# Altium PCB LimeSDR-Micro_M.2_2280_1v1.PcbDoc (part 3 of 9) (continued)
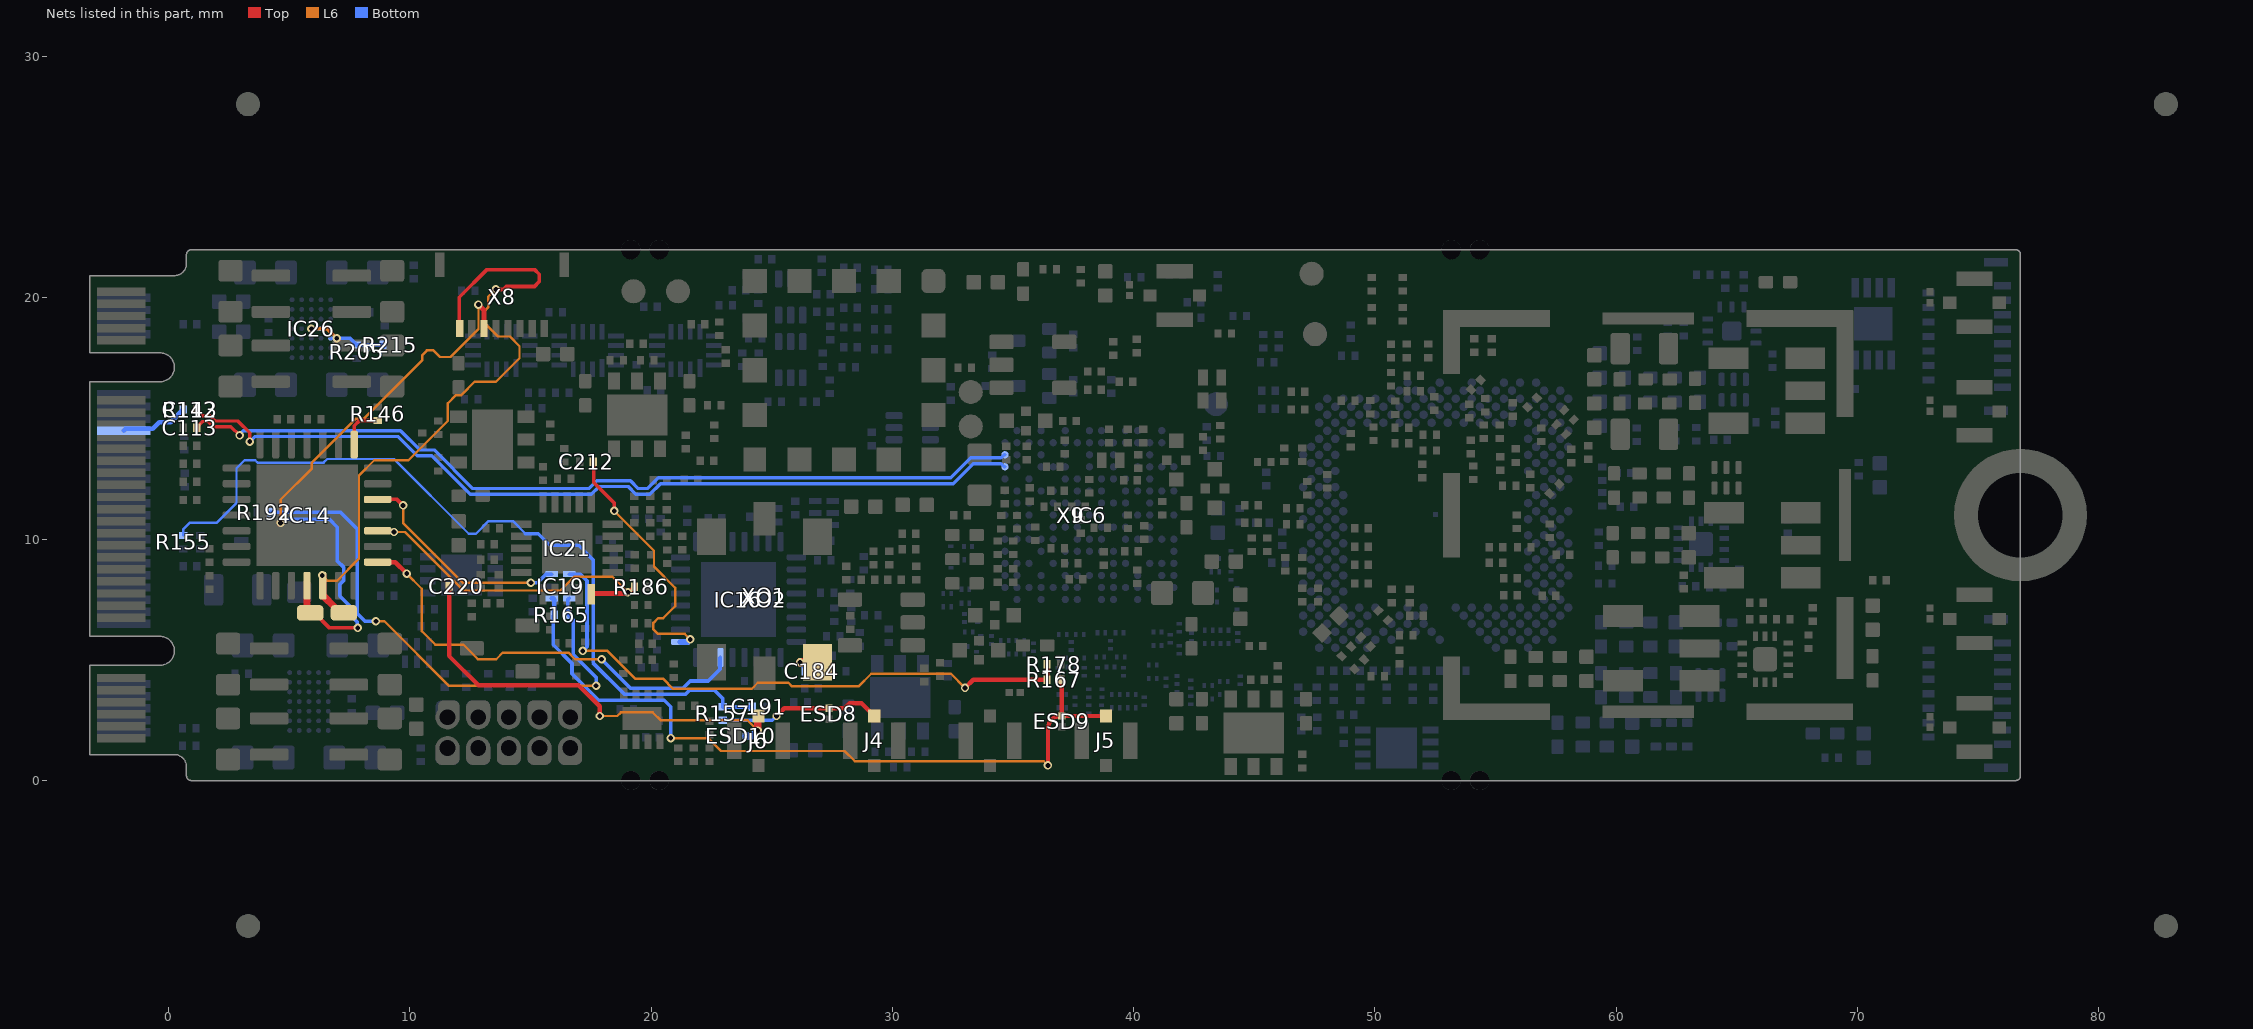
[diagram p9: the nets of this part, all layers, seen from the top]
## Part data (continued)
R169: library part Res_0402, Case/Package=0201, Case Code (Metric)=0603, Manufacturer=Yageo, Manufacturer Part Number 1=RC0201FR-073KL, Max Operating Temperature=125°C, Max Power Dissipation=50mW, Min Operating Temperature=-55°C, Resistance=3kR, Resistor Type="Thick Film", Supplier Part Number 1=YAG2656CT-ND, Temperature Coefficient=200ppm/°C, Tolerance=1%, Case Code (Imperial)=0201, ComponentLink1Description=http://www.yageo.com/documents/recent/PYu-RC_Group_51_RoHS_L_10.pdf?src-supplier=Digi-Key, ComponentLink1URL=http://www.yageo.com/documents/recent/PYu-RC_Group_51_RoHS_L_10.pdf?src-supplier=Digi-Key, ComponentLink2Description=http://www.yageo.com.tw/exep/pages/download/literatures/PYu-R_INT-thick_7.pdf?src-supplier=Digi-Key, ComponentLink2URL=http://www.yageo.com.tw/exep/pages/download/literatures/PYu-R_INT-thick_7.pdf?src-supplier=Digi-Key, ComponentLink3Description=http://www.yageo.com/documents/recent/PYu-RC_Group_51_RoHS_L_9.pdf?src-supplier=Digi-Key, ComponentLink3URL=http://www.yageo.com/documents/recent/PYu-RC_Group_51_RoHS_L_9.pdf?src-supplier=Digi-Key, Features="Moisture Resistant", Height=0.01inch, Length=0.024inch, Number of Terminations=2, Packaging="Tape and Reel", Part Description="3 kOhms ±1% 0.05W, 1/20W Chip Resistor 0201 (0603 Metric) Moisture Resistant Thick Film", Pricing 1="1=0,10000, 10=0,03700, 100=0,01530, 1000=0,00685, 2500=0,00595, 5000=0,00491 (USD)", RoHS=Yes, RoHS Compliant=Yes, Stock 1=269780, Supplier 1=Digi-Key, Width=0.012inch
R170 R214: library part Res_0402, Case/Package=0201, Case Code (Metric)=0603, Manufacturer=Yageo, Manufacturer Part Number 1=RC0201FR-0712K7L, Max Operating Temperature=125°C, Max Power Dissipation=50mW, Min Operating Temperature=-55°C, Package Quantity=1, Resistance=12.7kR, Resistor Type="Thick Film", Supplier Part Number 1=311-12.7KMCT-ND, Temperature Coefficient=200ppm/°C, Tolerance=1%, Case Code (Imperial)=0201, ComponentLink1Description=https://datasheet.ciiva.com/5924/1563626-5924912.pdf?src-supplier=Farnell, ComponentLink1URL=https://datasheet.ciiva.com/5924/1563626-5924912.pdf?src-supplier=Farnell, ComponentLink2Description=https://datasheet.ciiva.com/22661/1563626-22661319.pdf?src-supplier=Element14, ComponentLink2URL=https://datasheet.ciiva.com/22661/1563626-22661319.pdf?src-supplier=Element14, ComponentLink3Description=https://datasheet.ciiva.com/7660/1421516-7660807.pdf?src-supplier=Element14, ComponentLink3URL=https://datasheet.ciiva.com/7660/1421516-7660807.pdf?src-supplier=Element14, ComponentLink4Description=https://datasheet.ciiva.com/46391/1421516-46391339.pdf?src-supplier=Element14, ComponentLink4URL=https://datasheet.ciiva.com/46391/1421516-46391339.pdf?src-supplier=Element14, ComponentLink5Description=https://datasheet.ciiva.com/2467/pyu-r-int-thick-7-2467110.pdf?src-supplier=Digi-Key, ComponentLink5URL=https://datasheet.ciiva.com/2467/pyu-r-int-thick-7-2467110.pdf?src-supplier=Digi-Key, ComponentLink6Description=https://datasheet.ciiva.com/2467/pyu-r-int-thick-7-2467111.pdf?src-supplier=Digi-Key, ComponentLink6URL=https://datasheet.ciiva.com/2467/pyu-r-int-thick-7-2467111.pdf?src-supplier=Digi-Key, ComponentLink7Description=https://datasheet.ciiva.com/2467/pyu-r-int-thick-7-2467109.pdf?src-supplier=Digi-Key, ComponentLink7URL=https://datasheet.ciiva.com/2467/pyu-r-int-thick-7-2467109.pdf?src-supplier=Digi-Key, ComponentLink8Description=https://datasheet.ciiva.com/2493/pyu-r-int-thick-7-2493806.pdf?src-supplier=Digi-Key, ComponentLink8URL=https://datasheet.ciiva.com/2493/pyu-r-int-thick-7-2493806.pdf?src-supplier=Digi-Key, ComponentLink9Description=https://datasheet.ciiva.com/2493/pyu-r-int-thick-7-2493807.pdf?src-supplier=Digi-Key, ComponentLink9URL=https://datasheet.ciiva.com/2493/pyu-r-int-thick-7-2493807.pdf?src-supplier=Digi-Key, ComponentLink10Description=https://datasheet.ciiva.com/2493/pyu-r-int-thick-7-2493805.pdf?src-supplier=Digi-Key, ComponentLink10URL=https://datasheet.ciiva.com/2493/pyu-r-int-thick-7-2493805.pdf?src-supplier=Digi-Key, Features="Moisture Resistant", Height=0.01inch, Length=0.024inch, Number of Terminations=2, Packaging="Tape and Reel", Part Description="12.7 kOhms ±1% 0.05W, 1/20W Chip Resistor 0201 (0603 Metric) Moisture Resistant Thick Film", Pricing 1="1=0,10000, 10=0,03700, 100=0,01500, 1000=0,00672, 2500=0,00583, 5000=0,00482 (USD)", RoHS=Yes, RoHS Compliant=Yes, Series=RC, Stock 1=49027, Supplier 1=Digi-Key, Width=0.012inch
R180: library part Res_0402, Manufacturer=Yageo, Manufacturer Part Number 1=RC0201FR-07470RL, Supplier Part Number 1=YAG2689CT-ND, Voltage Rating (DC)=25V, ComponentLink1Description=https://datasheet.ciiva.com/8944/crcw0201e3-8944937.pdf?src-supplier=Avnet, ComponentLink1URL=https://datasheet.ciiva.com/8944/crcw0201e3-8944937.pdf?src-supplier=Avnet, ComponentLink2Description=https://datasheet.ciiva.com/2473/crcw0201e3-2473436.pdf?src-supplier=Digi-Key, ComponentLink2URL=https://datasheet.ciiva.com/2473/crcw0201e3-2473436.pdf?src-supplier=Digi-Key, ComponentLink3Description=https://datasheet.ciiva.com/2473/crcw0201e3-2473437.pdf?src-supplier=Digi-Key, ComponentLink3URL=https://datasheet.ciiva.com/2473/crcw0201e3-2473437.pdf?src-supplier=Digi-Key, ComponentLink4Description=https://datasheet.ciiva.com/2473/crcw0201e3-2473438.pdf?src-supplier=Digi-Key, ComponentLink4URL=https://datasheet.ciiva.com/2473/crcw0201e3-2473438.pdf?src-supplier=Digi-Key, ComponentLink5Description=https://datasheet.ciiva.com/16394/dcrcwe3-16394575.pdf?src-supplier=Future+Electronics, ComponentLink5URL=https://datasheet.ciiva.com/16394/dcrcwe3-16394575.pdf?src-supplier=Future+Electronics, ComponentLink6Description=https://datasheet.ciiva.com/7672/1563626-7672231.pdf?src-supplier=Element14, ComponentLink6URL=https://datasheet.ciiva.com/7672/1563626-7672231.pdf?src-supplier=Element14, ComponentLink7Description=https://datasheet.ciiva.com/22698/1563626-22698527.pdf?src-supplier=Element14, ComponentLink7URL=https://datasheet.ciiva.com/22698/1563626-22698527.pdf?src-supplier=Element14, Part Description="470 Ohms ±1% 0.05W, 1/20W Chip Resistor 0201 (0603 Metric) Moisture Resistant Thick Film", Pricing 1="1=0,1, 10=0,027, 50=0,0172, 100=0,0143, 500=0,00988, 1000=0,00854, 5000=0,00629 (USD)", RoHS=Yes, Stock 1=296760, Supplier 1=Digi-Key
R196: library part Res_0402, Case/Package=0201, Case Code (Metric)=0603, Manufacturer=Yageo, Manufacturer Part Number 1=RC0201FR-075K6L, Max Operating Temperature=125°C, Max Power Dissipation=50mW, Min Operating Temperature=-55°C, Package Quantity=10000, Resistance=5.6kR, Resistance Tolerance=1%, Resistor Type="Thick Film", Supplier Part Number 1=YAG2346CT-ND, Temperature Coefficient=200ppm/°C, Voltage Rating=25V, Case Code (Imperial)=0201, ComponentLink1Description=https://datasheet.ciiva.com/5924/1563626-5924912.pdf?src-supplier=Farnell, ComponentLink1URL=https://datasheet.ciiva.com/5924/1563626-5924912.pdf?src-supplier=Farnell, ComponentLink2Description=https://datasheet.ciiva.com/22661/1563626-22661319.pdf?src-supplier=Element14, ComponentLink2URL=https://datasheet.ciiva.com/22661/1563626-22661319.pdf?src-supplier=Element14, ComponentLink3Description=https://datasheet.ciiva.com/7660/1421516-7660807.pdf?src-supplier=Element14, ComponentLink3URL=https://datasheet.ciiva.com/7660/1421516-7660807.pdf?src-supplier=Element14, ComponentLink4Description=https://datasheet.ciiva.com/46391/1421516-46391339.pdf?src-supplier=Element14, ComponentLink4URL=https://datasheet.ciiva.com/46391/1421516-46391339.pdf?src-supplier=Element14, ComponentLink5Description=https://datasheet.ciiva.com/2467/pyu-r-int-thick-7-2467110.pdf?src-supplier=Digi-Key, ComponentLink5URL=https://datasheet.ciiva.com/2467/pyu-r-int-thick-7-2467110.pdf?src-supplier=Digi-Key, ComponentLink6Description=https://datasheet.ciiva.com/2467/pyu-r-int-thick-7-2467111.pdf?src-supplier=Digi-Key, ComponentLink6URL=https://datasheet.ciiva.com/2467/pyu-r-int-thick-7-2467111.pdf?src-supplier=Digi-Key, ComponentLink7Description=https://datasheet.ciiva.com/2467/pyu-r-int-thick-7-2467109.pdf?src-supplier=Digi-Key, ComponentLink7URL=https://datasheet.ciiva.com/2467/pyu-r-int-thick-7-2467109.pdf?src-supplier=Digi-Key, ComponentLink8Description=https://datasheet.ciiva.com/22661/1563626-22661325.pdf?src-supplier=Element14, ComponentLink8URL=https://datasheet.ciiva.com/22661/1563626-22661325.pdf?src-supplier=Element14, Features="Moisture Resistant", Height=0.01inch, Length=0.024inch, Number of Terminations=2, Packaging="Tape and Reel", Part Description="5.6 kOhms ±1% 0.05W, 1/20W Chip Resistor 0201 (0603 Metric) Moisture Resistant Thick Film", Power Rating=50mW, Pricing 1="1=0,10000, 10=0,03700, 100=0,01500, 1000=0,00672, 2500=0,00583, 5000=0,00482 (USD)", Reach SVHC Compliant=Yes, RoHS=Yes, RoHS Compliant=Yes, Series=RC, Stock 1=808399, Supplier 1=Digi-Key, Termination=SMD/SMT, Tolerance=1%, Width=0.3mm
R202: library part Res_0402, Case/Package=0201, Case Code (Metric)=0603, Manufacturer="Stackpole Electronics", Manufacturer Part Number 1=RMCF0201FT7K50, Max Operating Temperature=125°C, Max Power Dissipation=50mW, Min Operating Temperature=-55°C, Package Quantity=10000, Resistance=7.5kR, Resistor Type="Thick Film", Supplier Part Number 1=RMCF0201FT7K50CT-ND, Temperature Coefficient=200ppm/°C, Tolerance=1%, Case Code (Imperial)=0201, ComponentLink1Description=https://datasheet.ciiva.com/5924/1563626-5924912.pdf?src-supplier=Farnell, ComponentLink1URL=https://datasheet.ciiva.com/5924/1563626-5924912.pdf?src-supplier=Farnell, ComponentLink2Description=https://datasheet.ciiva.com/22661/1563626-22661319.pdf?src-supplier=Element14, ComponentLink2URL=https://datasheet.ciiva.com/22661/1563626-22661319.pdf?src-supplier=Element14, ComponentLink3Description=https://datasheet.ciiva.com/7660/1421516-7660807.pdf?src-supplier=Element14, ComponentLink3URL=https://datasheet.ciiva.com/7660/1421516-7660807.pdf?src-supplier=Element14, ComponentLink4Description=https://datasheet.ciiva.com/46391/1421516-46391339.pdf?src-supplier=Element14, ComponentLink4URL=https://datasheet.ciiva.com/46391/1421516-46391339.pdf?src-supplier=Element14, ComponentLink5Description=https://datasheet.ciiva.com/2467/pyu-r-int-thick-7-2467110.pdf?src-supplier=Digi-Key, ComponentLink5URL=https://datasheet.ciiva.com/2467/pyu-r-int-thick-7-2467110.pdf?src-supplier=Digi-Key, ComponentLink6Description=https://datasheet.ciiva.com/2467/pyu-r-int-thick-7-2467111.pdf?src-supplier=Digi-Key, ComponentLink6URL=https://datasheet.ciiva.com/2467/pyu-r-int-thick-7-2467111.pdf?src-supplier=Digi-Key, ComponentLink7Description=https://datasheet.ciiva.com/2467/pyu-r-int-thick-7-2467109.pdf?src-supplier=Digi-Key, ComponentLink7URL=https://datasheet.ciiva.com/2467/pyu-r-int-thick-7-2467109.pdf?src-supplier=Digi-Key, ComponentLink8Description=https://www.seielect.com/catalog/SEI-Packaging.pdf?src-supplier=Digi-Key, ComponentLink8URL=https://www.seielect.com/catalog/SEI-Packaging.pdf?src-supplier=Digi-Key, ComponentLink9Description=https://www.seielect.com/Catalog/SEI-RMCF_RMCP.pdf?src-supplier=Digi-Key, ComponentLink9URL=https://www.seielect.com/Catalog/SEI-RMCF_RMCP.pdf?src-supplier=Digi-Key, ComponentLink10Description=https://www.seielect.com/catalog/SEI-RMCF_RMCP.pdf?src-supplier=Avnet, ComponentLink10URL=https://www.seielect.com/catalog/SEI-RMCF_RMCP.pdf?src-supplier=Avnet, ComponentLink11Description=http://www.seielect.com/Catalog/SEI-RMCF_RMCP.pdf?src-supplier=Digi-Key, ComponentLink11URL=http://www.seielect.com/Catalog/SEI-RMCF_RMCP.pdf?src-supplier=Digi-Key, Contact Plating=Tin,Matte, Height=0.009inch, Length=0.024inch, Mount="Surface Mount", Number of Terminations=2, Packaging="Tape and Reel", Part Description="7.5 kOhms ±1% 0.05W, 1/20W Chip Resistor 0201 (0603 Metric) Thick Film", Pricing 1="1=0,10000, 10=0,02400, 100=0,00970, 1000=0,00437, 2500=0,00379, 5000=0,00313 (USD)", Radiation Hardening=No, RoHS=Yes, RoHS Compliant=Yes, Series=RMCF, Stock 1=145930, Supplier 1=Digi-Key, Width=0.012inch
R205: library part Res_0402, Case/Package=0201, Case Code (Metric)=0603, Manufacturer=Yageo, Manufacturer Part Number 1=RC0201FR-0747KL, Max Operating Temperature=125°C, Max Power Dissipation=50mW, Min Operating Temperature=-55°C, Package Quantity=10000, Resistance=47kR, Resistance Tolerance=1%, Resistor Type="Thick Film", Supplier Part Number 1=311-47KMCT-ND, Temperature Coefficient=200ppm/°C, Voltage Rating=25V, Case Code (Imperial)=0201, ComponentLink1Description=http://www.yageo.com/documents/recent/PYu-RC_Group_51_RoHS_L_7.pdf, ComponentLink1URL=http://www.yageo.com/documents/recent/PYu-RC_Group_51_RoHS_L_7.pdf, ComponentLink2Description=https://datasheet.ciiva.com/7672/1563626-7672232.pdf?src-supplier=Element14, ComponentLink2URL=https://datasheet.ciiva.com/7672/1563626-7672232.pdf?src-supplier=Element14, ComponentLink3Description=https://datasheet.ciiva.com/29710/pyu-r-int-thick-7-29710919.pdf?src-supplier=Digi-Key, ComponentLink3URL=https://datasheet.ciiva.com/29710/pyu-r-int-thick-7-29710919.pdf?src-supplier=Digi-Key, ComponentLink4Description=https://datasheet.ciiva.com/29710/pyu-r-int-thick-7-29710920.pdf?src-supplier=Digi-Key, ComponentLink4URL=https://datasheet.ciiva.com/29710/pyu-r-int-thick-7-29710920.pdf?src-supplier=Digi-Key, ComponentLink5Description=https://datasheet.ciiva.com/25647/pyu-r-int-thick-7-25647310.pdf?src-supplier=Digi-Key, ComponentLink5URL=https://datasheet.ciiva.com/25647/pyu-r-int-thick-7-25647310.pdf?src-supplier=Digi-Key, ComponentLink6Description=https://datasheet.ciiva.com/26829/getdatasheetpartid-422496-26829867.pdf?src-supplier=Verical, ComponentLink6URL=https://datasheet.ciiva.com/26829/getdatasheetpartid-422496-26829867.pdf?src-supplier=Verical, ComponentLink7Description=https://datasheet.ciiva.com/8889/pyu-rc0201-51-rohs-l-8-8889065.pdf?src-supplier=Avnet, ComponentLink7URL=https://datasheet.ciiva.com/8889/pyu-rc0201-51-rohs-l-8-8889065.pdf?src-supplier=Avnet, Construction=Rectangular, Contact Plating=Tin,Matte, Depth=0.3mm, Features="Moisture Resistant", Height=0.01inch, Lead Free="Lead Free", Length=0.6mm, Military Standard=Not, Number of Terminations=2, Packaging="Tape and Reel", Part Description="47 kOhms ±1% 0.05W, 1/20W Chip Resistor 0201 (0603 Metric) Moisture Resistant Thick Film", Power Rating=50mW, Pricing 1="1=0,10000, 10=0,03700, 100=0,01500, 1000=0,00672, 2500=0,00583, 5000=0,00482 (USD)", Radiation Hardening=No, RoHS=Yes, RoHS Compliant=Yes, Series=RC, Size Code=0201, Stock 1=684352, Supplier 1=Digi-Key, Termination=SMD/SMT, Tolerance=1%, Weight=6E-06oz, Width=0.3mm
R218: library part Res_0402, Case/Package=0201, Case Code (Metric)=0603, Manufacturer=Yageo, Manufacturer Part Number 1=RC0201FR-0731K6L, Max Operating Temperature=125°C, Max Power Dissipation=50mW, Min Operating Temperature=-55°C, Resistance=31.6kR, Resistor Type="Thick Film", Supplier Part Number 1=YAG2597CT-ND, Temperature Coefficient=200ppm/°C, Tolerance=1%, Case Code (Imperial)=0201, ComponentLink1Description=https://datasheet.ciiva.com/5924/1563626-5924912.pdf?src-supplier=Farnell, ComponentLink1URL=https://datasheet.ciiva.com/5924/1563626-5924912.pdf?src-supplier=Farnell, ComponentLink2Description=https://datasheet.ciiva.com/22661/1563626-22661319.pdf?src-supplier=Element14, ComponentLink2URL=https://datasheet.ciiva.com/22661/1563626-22661319.pdf?src-supplier=Element14, ComponentLink3Description=https://datasheet.ciiva.com/7660/1421516-7660807.pdf?src-supplier=Element14, ComponentLink3URL=https://datasheet.ciiva.com/7660/1421516-7660807.pdf?src-supplier=Element14, ComponentLink4Description=https://datasheet.ciiva.com/46391/1421516-46391339.pdf?src-supplier=Element14, ComponentLink4URL=https://datasheet.ciiva.com/46391/1421516-46391339.pdf?src-supplier=Element14, ComponentLink5Description=https://datasheet.ciiva.com/2467/pyu-r-int-thick-7-2467110.pdf?src-supplier=Digi-Key, ComponentLink5URL=https://datasheet.ciiva.com/2467/pyu-r-int-thick-7-2467110.pdf?src-supplier=Digi-Key, ComponentLink6Description=https://datasheet.ciiva.com/2467/pyu-r-int-thick-7-2467111.pdf?src-supplier=Digi-Key, ComponentLink6URL=https://datasheet.ciiva.com/2467/pyu-r-int-thick-7-2467111.pdf?src-supplier=Digi-Key, ComponentLink7Description=https://datasheet.ciiva.com/2467/pyu-r-int-thick-7-2467109.pdf?src-supplier=Digi-Key, ComponentLink7URL=https://datasheet.ciiva.com/2467/pyu-r-int-thick-7-2467109.pdf?src-supplier=Digi-Key, ComponentLink8Description=http://www.yageo.com/documents/recent/PYu-RC_Group_51_RoHS_L_10.pdf?src-supplier=Digi-Key, ComponentLink8URL=http://www.yageo.com/documents/recent/PYu-RC_Group_51_RoHS_L_10.pdf?src-supplier=Digi-Key, ComponentLink9Description=https://www.yageo.com/upload/media/product/productsearch/datasheet/rchip/PYu-RC_Group_51_RoHS_L_11.pdf?src-supplier=Digi-Key, ComponentLink9URL=https://www.yageo.com/upload/media/product/productsearch/datasheet/rchip/PYu-RC_Group_51_RoHS_L_11.pdf?src-supplier=Digi-Key, ComponentLink10Description=http://www.yageo.com/documents/recent/PYu-RC_Group_51_RoHS_L_9.pdf?src-supplier=Digi-Key, ComponentLink10URL=http://www.yageo.com/documents/recent/PYu-RC_Group_51_RoHS_L_9.pdf?src-supplier=Digi-Key, Features="Moisture Resistant", Height=0.01inch, Length=0.024inch, Number of Terminations=2, Packaging="Tape and Reel", Part Description="31.6 kOhms ±1% 0.05W, 1/20W Chip Resistor 0201 (0603 Metric) Moisture Resistant Thick Film", Pricing 1="1=0,10000, 10=0,03700, 100=0,01500, 1000=0,00672, 2500=0,00583, 5000=0,00482 (USD)", RoHS=Yes, RoHS Compliant=Yes, Stock 1=255391, Supplier 1=Digi-Key, Width=0.012inch
T1 T5 T6: library part 3600BL14M050_balun, Case/Package=0603, Case Code (Metric)=1608, Frequency=3.6GHz, Manufacturer=Johanson, Manufacturer Part Number 1=3600BL14M050T, Max Frequency=3.9GHz, Max Operating Temperature=85°C, Min Frequency=3.3GHz, Min Operating Temperature=-40°C, Package Quantity=1, Resistor Type=Ceramic, Supplier Part Number 1=712-1048-1-ND, Case Code (Imperial)=0603, ComponentLink1Description=https://datasheet.ciiva.com/2788/3600bl14m050-2788852.pdf?src-supplier=Digi-Key, ComponentLink1URL=https://datasheet.ciiva.com/2788/3600bl14m050-2788852.pdf?src-supplier=Digi-Key, ComponentLink2Description=https://datasheet.ciiva.com/22694/1318325-22694755.pdf?src-supplier=Element14, ComponentLink2URL=https://datasheet.ciiva.com/22694/1318325-22694755.pdf?src-supplier=Element14, ComponentLink3Description=https://datasheet.ciiva.com/24072/balun-3600bl14m050-242434-24072532.pdf?src-supplier=Mouser, ComponentLink3URL=https://datasheet.ciiva.com/24072/balun-3600bl14m050-242434-24072532.pdf?src-supplier=Mouser, Depth=0.8mm, Impedance=50R, Insertion Loss=1.2dB, Length=1.6mm, Mount="Surface Mount", Number of Pins=6, Packaging="Tape and Reel", Part Description="Signal Conditioning 3.6GHz 1:1 BALUN", Pricing 1="1=1,19000, 10=1,16900, 25=0,78280, 50=0,69680, 100=0,63840, 250=0,57280, 500=0,56086, 1000=0,40573 (USD)", Radiation Hardening=No, Return Loss=9.5dB, RoHS=Yes, Series=3600, Stock 1=41138, Supplier 1=Digi-Key, Termination=SMD/SMT, Turns Ratio=1:1
T2 T7 T8: library part TC1-1-13M+, Manufacturer=Minicircuits, Manufacturer Part Number 1=TC1-1-13M-45+, Part Description="RF balun; 1:1 ratio; 3 dB bandwidth: 0.3 MHz to 3.5 GHz; 3.8mm x 3.8mm", Supplier 1=Minicircuits, Supplier Part Number 1=TC1-1-13M-45+
T3 T4: library part B0322J5050AHF_balun, Case/Package=0805, Case Code (Metric)=2012, Manufacturer=Anaren, Max Operating Temperature=85°C, Min Operating Temperature=-55°C, Package Quantity=1, Supplier Part Number 1=620-B0322J5050AHF, Case Code (Imperial)=0805, ComponentLink1Description=https://datasheet.ciiva.com/2788/b0322j5050ahf-datasheet-reva-2788996.pdf?src-supplier=Digi-Key, ComponentLink1URL=https://datasheet.ciiva.com/2788/b0322j5050ahf-datasheet-reva-2788996.pdf?src-supplier=Digi-Key, ComponentLink2Description=https://datasheet.ciiva.com/4548/b0322j5050ahf-datasheet-reva-18090-4548378.pdf?src-supplier=Mouser, ComponentLink2URL=https://datasheet.ciiva.com/4548/b0322j5050ahf-datasheet-reva-18090-4548378.pdf?src-supplier=Mouser, ComponentLink3Description=https://datasheet.ciiva.com/2788/b0322j5050ahf-2788997.pdf?src-supplier=Digi-Key, ComponentLink3URL=https://datasheet.ciiva.com/2788/b0322j5050ahf-2788997.pdf?src-supplier=Digi-Key, ComponentLink4Description=https://datasheet.ciiva.com/2788/b0322j5050ahf-2788998.pdf?src-supplier=Digi-Key, ComponentLink4URL=https://datasheet.ciiva.com/2788/b0322j5050ahf-2788998.pdf?src-supplier=Digi-Key, ComponentLink5Description=https://datasheet.ciiva.com/26819/getdatasheetpartid-573228-26819653.pdf?src-supplier=Verical, ComponentLink5URL=https://datasheet.ciiva.com/26819/getdatasheetpartid-573228-26819653.pdf?src-supplier=Verical, Depth=1.29mm, Impedance=50R, Insertion Loss=1.6dB, Length=2.04mm, Manufacturer Part Number 1=B0322J5050AHF, Mount="Surface Mount", Number of Pins=6, Packaging="Tape and Reel", Part Description="Signal Conditioning 300-2200MHz 50 Ohm IL=1.6dB", Pricing 1="1=1,65000, 10=1,02000, 50=1,02000, 100=0,88300, 1000=0,56100, 10000=0,52800 (USD)", RoHS=Yes, RoHS Compliant=Yes, Series=Xinger®, Stock 1=19367, Supplier 1=Mouser, Termination=SMD/SMT, Turns Ratio=1:1
TP1 TP2 TP3 TP4 TP5 TP6: "Test Point PCB mount Miniature White"
VT1 VT2: Current - Continuous Drain (Id) @ 25°C="630mA (Ta)", Drive Voltage (Max Rds On,  Min Rds On)="1.8V, 4.5V", Manufacturer="Diodes Incorporated", Manufacturer Part Number 1=DMG1012TQ-7, Operating Temperature="-55°C ~ 150°C (TJ)", Package / Case=SOT-523, Power Dissipation (Max)="280mW (Ta)", Supplier Part Number 1=DMG1012TQ-7DICT-ND, Category="Discrete Semiconductor Products", ComponentLink1Description=https://www.diodes.com/assets/Datasheets/ds31783.pdf, ComponentLink1URL=https://www.diodes.com/assets/Datasheets/ds31783.pdf, FET Feature=-, FET Type=N-Channel, Mounting Type="Surface Mount", Packaging="Cut Tape (CT)", Part Description="N-Channel 20V 630mA (Ta) 280mW (Ta) Surface Mount SOT-523", Part Status=Active, Pricing 1="1=0.47, 10=0.424, 100=0.2375, 500=0.12722, 1000=0.08651 (USD)", Rds On (Max) @ Id, Vgs="400 mOhm @ 600mA, 4.5V", RoHS="RoHS Compliant", Stock 1=3569, Supplier 1=Digi-Key, Supplier Device Package=SOT-523, Technology="MOSFET (Metal Oxide)", Vgs (Max)=±6V, Vgs(th) (Max) @ Id="1V @ 250µA"
X6 X7: library part 5025981593_FPC_connector, Manufacturer=Molex, Supplier Part Number 1=900-5025981593CT-ND, Manufacturer Part Number 1=5025981593, Part Description="15 Position FPC Connector Contacts, Top and Bottom 0.012\" (0.30mm) Surface Mount, Right Angle", Pricing 1="1=1,40000, 10=1,15900, 100=0,96600, 1000=0,77280 (USD)", RoHS=Yes, Stock 1=19758, Supplier 1=Digi-Key
X8: library part 503480-0800_8PIN_FPC_CONN, Manufacturer=Molex, Manufacturer Part Number 1=503480-0800, Supplier Part Number 1=WM1388CT-ND, ComponentLink1Description=https://datasheet.ciiva.com/671/5034800400-sd-671136.pdf?src-supplier=Digi-Key, ComponentLink1URL=https://datasheet.ciiva.com/671/5034800400-sd-671136.pdf?src-supplier=Digi-Key, ComponentLink2Description=https://datasheet.ciiva.com/5751/1631789-5751170.pdf?src-supplier=Farnell, ComponentLink2URL=https://datasheet.ciiva.com/5751/1631789-5751170.pdf?src-supplier=Farnell, ComponentLink3Description=https://datasheet.ciiva.com/10363/5034800800-ffc-fpc-connectors-10363985.pdf?src-supplier=Avnet, ComponentLink3URL=https://datasheet.ciiva.com/10363/5034800800-ffc-fpc-connectors-10363985.pdf?src-supplier=Avnet, ComponentLink4Description=https://datasheet.ciiva.com/5138/5034800800-ffc-fpc-connectors-179547-5138276.pdf?src-supplier=Mouser, ComponentLink4URL=https://datasheet.ciiva.com/5138/5034800800-ffc-fpc-connectors-179547-5138276.pdf?src-supplier=Mouser, ComponentLink5Description=https://datasheet.ciiva.com/26825/getdatasheetpartid-495673-26825585.pdf?src-supplier=Verical, ComponentLink5URL=https://datasheet.ciiva.com/26825/getdatasheetpartid-495673-26825585.pdf?src-supplier=Verical, Part Description="8 Position FFC, FPC Connector Contacts, Top and Bottom 0.020\" (0.50mm) Surface Mount, Right Angle", Pricing 1="1=0,92000, 10=0,76100, 100=0,63420, 1000=0,50736 (USD)", RoHS=Yes, Stock 1=119007, Supplier 1=Digi-Key
XO1: library part RPT7050A, Manufacturer=Rakon, Manufacturer Part Number 1=E6245LF, Part Description="TCXO 30.72MHz, E6245LF", Supplier 1=Rakon, Supplier Part Number 1=E6245LF
XO2: library part TXCO, Manufacturer=Rakon, Manufacturer Part Number 1=E5280LF, Part Description="TCXO 30.72MHz, E5280LF", Supplier 1=Rakon, Supplier Part Number 1=E5280LF

## Free pads (board coordinates)
  round 0.8 hole 0.8 unplated: 0(19.163,22) 0(19.163,0) 0(20.338,22) 0(20.338,0) 0(53.162,0) 0(53.162,22) 0(54.337,0) 0(54.337,22)
  rrect50% 1x1 smd far side paste-2 mask+0.05: 2(11.57,1.15) 2(11.57,2.82) 2(12.84,1.15) 2(12.84,2.82) 2(14.11,1.15) 2(14.11,2.82) 2(15.38,1.15) 2(15.38,2.82) 2(16.65,1.15) 2(16.65,2.82)
  rrect50% 1x1 smd paste-2 mask+0.05: 2(11.57,1.15) 2(12.84,1.15) 2(12.84,2.82) 2(14.11,1.15) 2(14.11,2.82) 2(15.38,1.15) 2(15.38,2.82) 2(16.65,1.15) 2(16.65,2.82)
  rrect50% 0.9x1 smd paste-2 mask+0.05: 2(11.62,2.82)
  rect 0.7x3.4 smd mask+0.05: 3(69.475,5.9)
  rrect50% 1.1x0.65 smd paste-2 mask+0.05: 4(5.875,6.95) 4(7.275,6.95)

## Via types
v1: diameter 0.35, hole 0.2, Top to Bottom, tented both sides, 717 vias
v2: diameter 0.35, hole 0.2, L5 to Bottom, tented both sides, 112 vias
v3: diameter 0.4, hole 0.2, Top to Bottom, tented both sides, 30 vias
v4: diameter 0.5, hole 0.2, Top to Bottom, tented both sides, 12 vias

## Nets (pads, with @x,y where several pads share a name; then routed paths per layer and width w, separated by ;. In a path a pad name is that pad's centre, name@x,y a point inside that pad or via, vN(x,y) a via of type N, cw(c..) or ccw(c..) an arc to the next point about the centre after c; other vN are vias at no path point)
ADF_MUXOUT: IC14.24 IC21.15 R186.1 | length 14.1
  Top w0.15: IC14.24@8.675,10.3 v1(9.35,10.3)
  Top w0.2: IC21.15@17.525,7.725 IC21.15@17.525,7.75 ; IC21.15@17.575,8.025 17.525,7.975 IC21.15@17.525,7.75 ; R186.1@19.32,8.025 19.045,7.75 IC21.15@17.525,7.75
  L6 w0.1: v1(9.35,10.3) 9.806,10.3 12.231,7.875 16.25,7.875 16.825,8.45 18.395,8.45 v1(19.045,7.8)
ADF_REF_IN: C220.2 ESD10.1 J6.1 | length 18.4
  Top w0.18: C220.2@11.64,8.095 11.635,8.09 11.635,5.165 12.85,3.95 17,3.95 17.875,3.075 v1(17.875,2.675) ; J6.1@24.425,2.65 J6.1@24.45,2.675
  Top w0.3: v1(24.425,2.075) J6.1@24.425,2.55
  L6 w0.1: v1(17.875,2.675) 18.6,2.675 18.75,2.825 20.075,2.825 20.409,2.491 24.009,2.491 v1(24.425,2.075)
  Bottom w0.3: ESD10.1@23.95,1.85 24.2,1.85 v1(24.425,2.075)
ADF_RF_IN: C212.1 IC16.1 | length 11
  Top w0.15: C212.1@17.605,13.205 17.625,13.185 17.625,12.35 18.475,11.5 v1(18.475,11.175)
  L6 w0.1: v1(18.475,11.175) 20.125,9.525 20.125,9.135 20.125,8.865 21,7.99 21,7.225 20.5,6.725 20.29,6.725 20.1,6.535 20.1,6.265 20.29,6.075 21.4,6.075 v1(21.625,5.85)
  Bottom w0.25: IC16.1@21.225,5.75 21.5,5.75 21.6,5.85 v1(21.625,5.85)
BOM_VER0: IC14.1 R146.1 | length 1.8
  Top w0.15: IC14.1@7.7,13.925 7.7,14.7 7.92,14.92 R146.1@8.675,14.92
C1_N: C113.2 IC6.N1 | length 35.8
  Top w0.14: C113.2@1.175,14.625 1.43,14.88 1.631,14.88 1.851,14.66 2.59,14.66 v1(2.95,14.3)
  Bottom w0.14: v1@2.9,14.3 3.095,14.495 9.619,14.495 10.414,13.7 11.014,13.7 12.614,12.1 17.425,12.1 17.75,12.425 19.15,12.425 19.475,12.1 19.85,12.1 20.295,12.545 32.43,12.545 33.256,13.37 34.505,13.37 34.635,13.5 IC6.N1@34.667,13.5
C1_P: C112.2 IC6.M1 | length 36.2
  Top w0.14: C112.2@1.175,15.375 1.43,15.12 1.73,15.12 1.95,14.9 2.875,14.9 3.37,14.405 v1(3.37,14.045)
  Bottom w0.14: v1(3.37,14.045) 3.58,14.255 9.52,14.255 10.315,13.46 10.915,13.46 12.515,11.86 17.524,11.86 17.849,12.185 19.051,12.185 19.376,11.86 19.949,11.86 20.394,12.305 32.53,12.305 33.355,13.13 34.505,13.13 34.635,13 IC6.M1@34.667,13
CLK_IN: C191.2 R155.1 R157.2 | length 33.5
  Bottom w0.1: R155.1@0.625,10.155 0.625,10.425 0.875,10.675 2,10.675 2.825,11.5 2.825,12.942 3.158,13.275 3.6,13.275 3.7,13.175 6.435,13.175 6.585,13.325 9.35,13.325 12.45,10.225 12.745,10.225 13.27,10.75 14.275,10.75 14.8,10.225
  Bottom w0.15: 14.8,10.225 15.324,10.225 15.799,9.75 17.001,9.75 17.6,9.151 17.6,4.875 18.9,3.575 21.429,3.575 21.604,3.75 22.625,3.75 22.975,3.4 R157.2@22.975,3.055 22.98,3.05 C191.2@24.195,3.05
CLK_IN_EXT: ESD8.1 J4.1 R157.1 | length 6.8
  Top w0.18: v1(25.2,2.675) 25.525,3 ESD8.1@27.375,3 28.025,3 28.225,3.2 28.725,3.2 29.065,2.86 29.09,2.86 29.25,2.7 J4.1@29.25,2.675
  Bottom w0.15: R157.1@22.975,2.495 25.02,2.495 v1(25.2,2.675)
CLK_REQUEST#: R143.1 X9.P52 | length 2.8
  Bottom w0.2: X9.P52@-1.85,14.5 -1.775,14.575 -0.65,14.575 -0.375,14.85 0.095,14.85 R143.1@0.62,15.375
CLK_XO: C184.2 XO1.4 XO2.3 | length 1.5
  Top w0.25: XO1.4@26.825,5.05 XO1.4@26.825,5.35 ; XO1.4@26.825,5.475 XO1.4@26.9,5.4
  Top w0.35: v1(26.175,4.9) XO1.4@26.825,4.9
  Bottom w0.2: v1(26.175,4.9) 26.39,4.685 C184.2@26.39,4.525
EN_REG: IC26.C5 IC26.D3 IC26.D4 R205.2 R215.2 | length 3.9
  L6 w0.15: v2(5.925,18.725) 6.575,18.725 v2(6.975,18.325)
  Bottom w0.1: IC26.D4@6.325,18.725 IC26.D4@6.36,18.725
  Bottom w0.15: v2(5.925,18.725) IC26.D4@6.325,18.725 ; IC26.C5@6.725,18.325 v2(6.975,18.325) 7.525,18.325 R205.2@7.8,18.05 R215.2@8.895,18.05
EXP_GPA1: IC14.18 pad.4@5.875,6.95 X8.6 | length 25.2
  Top w0.15: pad.4@5.875,6.95 6.054,6.95 6.679,6.325 v1(7.85,6.325)
  Top w0.2: v1(12.85,19.725) 13.075,19.5 X8.6@13.075,18.725
  Top w0.3: IC14.18@5.75,8.075 5.75,7.1 pad.4@5.8,7.05
  L6 w0.1: v2(4.65,10.675) 4.65,11.634 5.95,12.934 5.95,13.175 7.775,15 8.102,15 10.525,17.423 10.525,17.635 10.715,17.825 10.985,17.825 11.26,17.55 11.685,17.55 12.85,18.715 v1(12.85,19.725)
  Bottom w0.15: v2(4.65,10.675) 4.8,10.825 6.675,10.825 7,10.5 7,9.1 7.275,8.825 7.275,8.3 7.1,8.125 7.1,7.65 7.575,7.175 7.575,6.821 7.828,6.569 7.828,6.347 v1(7.85,6.325)
EXP_GPA2: IC14.19 pad.4@7.275,6.95 X8.8 | length 27.5
  Top w0.15: X8.8@12.075,18.725 12.05,18.75 12.05,20.025 13.2,21.175 15.175,21.175 15.375,20.975 15.375,20.68 15.17,20.475 14,20.475 13.875,20.35 v1(13.575,20.35)
  Top w0.3: IC14.19@6.4,8.5 IC14.19@6.4,8.075 6.4,7.675 pad.4@6.925,7.15
  L6 w0.1: v1(6.375,8.5) 6.6,8.275 6.975,8.275 7.9,9.2 7.9,12.642 8.533,13.275 9.95,13.275 11.575,14.9 11.575,15.627 11.923,15.975 12.14,15.975 12.69,16.525 13.575,16.525 14.55,17.5 14.55,18 14.15,18.4 13.658,18.4 13.075,18.983 13.075,19.433 13.25,19.608 13.25,20.05 v1@13.563,20.362
EXT_CLK_CTRL: IC14.22 IC16.30 | length 18.4
  Top w0.18: IC14.22@8.675,9.05 9.4,9.05 v1(9.875,8.575)
  L6 w0.1: v1(9.875,8.575) 10.5,7.95 10.5,6.19 11.065,5.625 12.225,5.625 12.825,5.025 13.585,5.025 13.86,5.3 16.575,5.3 16.85,5.025 v1(17.95,5.025)
  Bottom w0.15: v1(17.95,5.025) 19.15,3.825 21.325,3.825 21.625,4.125 22.375,4.125 22.859,4.609 22.859,5.084 IC16.30@22.875,5.1
EXT_PPS: ESD9.1 IC19.4 J5.1 R165.1 R167.1 | length 31.4
  Top w0.18: v1(36.45,0.625) 36.45,2.15 cw(c36.975,2.15) 36.975,2.675 J5.1@38.85,2.675 ; R167.1@36.975,4.175 37.025,4.125 ESD9.1@37.025,2.675
  L6 w0.1: v1(20.815,1.76) 22.365,1.76 22.9,1.225 28.025,1.225 28.45,0.8 36.275,0.8 v1(36.45,0.625)
  Bottom w0.15: R165.1@15.995,6.875 15.95,6.83 15.95,5.625 16.725,4.85 16.725,4.425 17.825,3.325 20.55,3.325 20.815,3.06 v1(20.815,1.76)
  Bottom w0.18: IC19.4@15.887,7.55 15.96,7.55 15.995,7.515 R165.1@15.995,6.875
EXT_PPS_IN: IC19.1 R167.2 R178.2 | length 25.1
  Top w0.18: v1(33.012,3.837) 33.35,4.175 R167.2@36.415,4.175 R178.2@36.415,4.825
  L6 w0.1: v2(17.175,5.375) 18.192,5.375 19.342,4.225 20.491,4.225 20.916,3.8 24.175,3.8 24.425,4.05 25.694,4.05 25.844,3.9 28.6,3.9 29.125,4.425 32.425,4.425 v1(33.012,3.837)
  Bottom w0.15: IC19.1@16.613,8.55 17.075,8.55 17.35,8.275 17.35,5.55 v2(17.175,5.375)
EXT_PPS_OUT: IC19.3 R165.2 R192.1 | length 22.6
  L6 w0.1: v2(8.6,6.6) 8.95,6.6 11.625,3.925 15.7,3.925 v2(17.725,3.925)
  Bottom w0.15: R192.1@4.248,11.125 7.125,11.125 7.825,10.425 7.825,6.925 8.15,6.6 v2(8.6,6.6) ; IC19.3@16.613,7.55 16.605,7.55 16.555,7.5 R165.2@16.555,6.875 16.775,6.655 16.775,5.225 17.725,4.275 v2(17.725,3.925)
EXT_PPS_SEL: IC14.26 IC19.6 | length 9.2
  Top w0.15: IC14.26@8.675,11.65 9.475,11.65 v1(9.725,11.4)
  L6 w0.1: v1(9.725,11.4) 9.725,10.667 10.364,10.028 10.364,10.025 12.189,8.2 v1(15.025,8.2)
  Bottom w0.15: v1(15.025,8.2) 15.3,8.2 15.65,8.55 IC19.6@15.887,8.55